# Altium PCB Defectoscope.PcbDoc (part 2 of 2)
Units mm, origin at the board's own origin, x right, y up, seen from the top; angles counter-clockwise.
Board outline 50 x 50 mm, 4 copper layers (Top Signal Layer, Power Layer, Ground Layer, Bottom Signal Layer), stack 0.778 mm thick; 116 components, 66 nets, 376 pads, 184 vias.
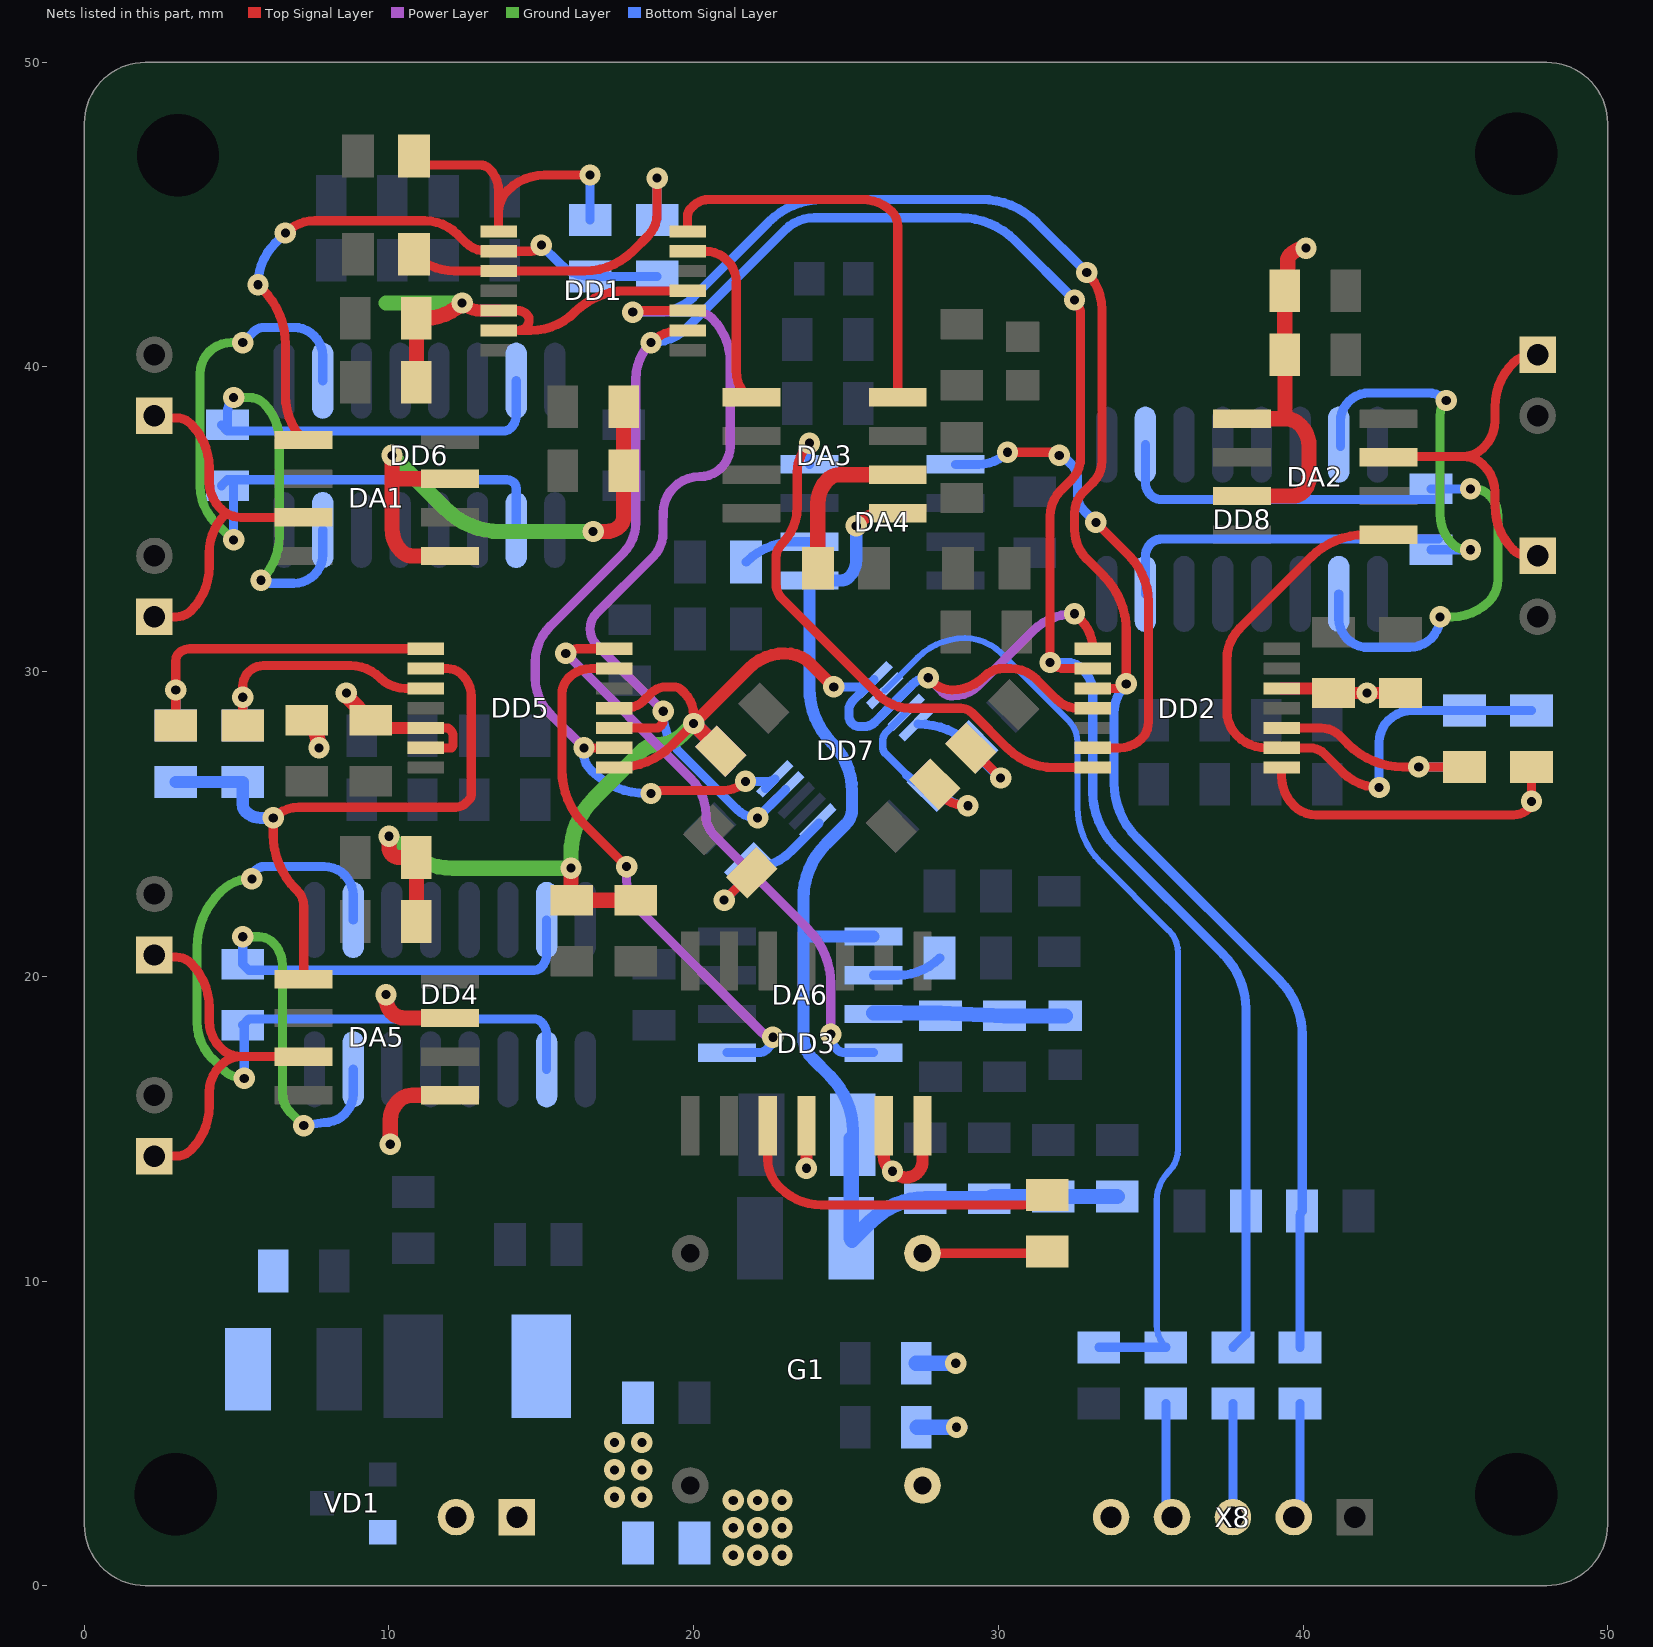
[diagram p4: the nets of this part, all layers, seen from the top]

## Via types
v1: diameter 0.7, hole 0.3, Top Signal Layer to Bottom Signal Layer, tented both sides, 184 vias

## Nets (pads, with @x,y where several pads share a name; then routed paths per layer and width w, separated by ;. In a path a pad name is that pad's centre, name@x,y a point inside that pad or via, vN(x,y) a via of type N, cw(c..) or ccw(c..) an arc to the next point about the centre after c; other vN are vias at no path point) (continued)
NetC23_1: C23.1 DD4.7 DD4.15 | length 22.8
  Ground Layer w0.3: v1(5.2,21.3) 5.717,21.3 cw(c5.717,20.617) 6.2,21.1 cw(c5.475,20.375) 6.5,20.375 6.5,16.166 ccw(c7.385,16.166) 6.759,15.54 v1(7.2,15.1)
  Bottom Signal Layer w0.3: v1(5.2,21.3) C23.1@5.2,20.4 5.4,20.2 14.759,20.2 ccw(c14.759,20.541) 15,20.3 ccw(c14.577,20.723) 15.175,20.723 DD4.15@15.175,21.85 ; v1(7.2,15.1) 7.876,15.2 ccw(c7.876,16.149) 8.825,16.149 DD4.7@8.825,16.95
NetC23_2: C23.2 DD4.2 DD4.10 | length 26.4
  Ground Layer w0.3: v1(5.248,16.651) 5.132,16.651 5.083,16.7 cw(c5.083,17.383) 4.6,16.9 4.195,17.305 cw(c5.39,18.5) 3.7,18.5 3.7,20.948 cw(c6.24,20.948) 4.444,22.744 4.5,22.8 cw(c5.466,21.834) 5.466,23.2 v1(5.5,23.2)
  Bottom Signal Layer w0.3: v1(5.248,16.651) 5.248,18.352 C23.2@5.2,18.4 5.4,18.6 14.759,18.6 cw(c14.759,18.259) 15,18.5 cw(c14.577,18.077) 15.175,18.077 DD4.2@15.175,16.95 ; v1(5.5,23.2) cw(c5.9,23.2) 5.9,23.6 7.876,23.6 cw(c7.876,22.651) 8.825,22.651 DD4.10@8.825,21.85
NetC33_1: C33.1 DD6.7 DD6.15 | length 23
  Ground Layer w0.3: v1(4.9,39) 5.417,39 cw(c5.417,38.317) 5.9,38.8 cw(c4.693,37.593) 6.4,37.593 6.4,34.449 cw(c4.351,34.449) v1(5.8,33) v1@5.6,33
  Bottom Signal Layer w0.3: C33.1@4.5,38.1 4.7,37.9 13.759,37.9 ccw(c13.759,38.241) 14,38 ccw(c13.578,38.422) 14.175,38.422 DD6.15@14.175,39.55 ; C33.1@4.7,38.1 4.7,38.517 cw(c5.383,38.517) v1(4.9,39) ; v1@5.758,33.042 ccw(c6.1,33.383) 6.1,32.9 6.876,32.9 ccw(c6.876,33.849) 7.825,33.849 DD6.7@7.825,34.65
NetC33_2: C33.2 DD6.2 DD6.10 | length 25.1
  Ground Layer w0.3: v1(4.9,34.326) 4.874,34.326 4.295,34.905 cw(c5.491,36.1) 3.8,36.1 3.8,39.776 cw(c4.824,39.776) 4.1,40.5 cw(c4.825,39.775) 4.825,40.8 v1(5.2,40.8)
  Bottom Signal Layer w0.3: C33.2@4.5,36.1 4.7,36.3 13.859,36.3 cw(c13.859,35.959) 14.1,36.2 cw(c13.919,36.019) 14.175,36.019 DD6.2@14.175,34.65 ; v1@4.9,34.3 C33.2@4.9,36.1 ; v1(5.2,40.8) 5.558,41.158 cw(c5.9,40.817) 5.9,41.3 6.876,41.3 cw(c6.876,40.351) 7.825,40.351 DD6.10@7.825,39.55
NetC44_2: C44.2 DD7.4 R29.1 | length 6.4
  Top Signal Layer w0.3: C44.2@27.807,26.207 28,26.014 ccw(c29,27.014) v1(29,25.6)
  Bottom Signal Layer w0.25: DD7.4@26.98,28.673 26.336,28.029 ccw(c26.666,27.7) 26.2,27.7 26.2,27.541 ccw(c26.541,27.541) 26.3,27.3 26.987,26.613
  Bottom Signal Layer w0.3: 26.987,26.613 ccw(c27.854,27.481) R29.1@27.854,26.254 28.16,25.948 ccw(c29,26.787) v1(29,25.6)
NetC45_2: C45.2 DD7.5 R30.1 | length 5
  Top Signal Layer w0.3: C45.2@29.093,27.493 v1(30.076,26.51) ccw(c30.1,26.534) v1@30.1,26.5
  Bottom Signal Layer w0.3: DD7.5@27.369,28.284 cw(c27.369,25.775) 29.143,27.549 29.173,27.377 v1@30.028,26.523 ; v1@30.001,26.691 cw(c29.82,26.51) v1(30.076,26.51)
NetC46_2: C46.2 DD7.6 R31.1 | length 5.7
  Top Signal Layer w0.3: v1(21,22.5) ccw(c21,22.534) 21.024,22.51 C46.2@21.907,23.393
  Bottom Signal Layer w0.3: v1(21,22.5) 21.789,23.289 ccw(c21.632,23.446) 21.854,23.446 ccw(c21.854,23.873) R31.1@22.155,23.57 ; R31.1@21.854,23.546 ccw(c21.854,25.421) R31.1@22.155,23.57 ; DD7.6@24.116,25.031 23.18,24.095 cw(c21.854,25.421) R31.1@22.155,23.57
NetC49_1: C49.1 DD8.7 DD8.15 | length 22.9
  Ground Layer w0.3: v1(44.7,38.9) ccw(c45.183,38.417) 44.5,38.417 44.5,35.166 ccw(c45.866,35.166) 44.9,34.2 ccw(c45.383,34.683) 45.383,34 v1(45.5,34)
  Bottom Signal Layer w0.3: DD8.15@34.825,32.55 34.825,33.778 cw(c35.423,33.778) 35,34.2 cw(c35.371,33.829) 35.371,34.354 C49.1@44.446,34.354 ; DD8.7@41.225,37.4 41.225,38.201 cw(c42.174,38.201) 42.174,39.15 44.096,39.15 cw(c44.096,38.296) v1(44.7,38.9) ; C49.1@44.2,34 v1(45.5,34)
NetC49_2: C49.2 DD8.2 DD8.10 | length 23.8
  Ground Layer w0.3: v1(44.5,31.8) 44.893,31.8 ccw(c44.893,33.507) 46.1,32.3 ccw(c45.376,33.024) 46.4,33.024 46.4,35.1 ccw(c45.434,35.1) 46.117,35.783 46.1,35.8 ccw(c45.617,35.317) 45.617,36 v1(45.5,36)
  Bottom Signal Layer w0.3: DD8.2@34.825,37.45 34.825,36.223 ccw(c35.423,36.223) 35,35.8 ccw(c35.371,36.171) 35.371,35.646 C49.2@44.446,35.646 ; DD8.10@41.175,32.55 41.175,31.749 ccw(c42.124,31.749) 42.124,30.8 ; 42.024,30.8 43.4,30.8 ; 43.5,30.8 ccw(c43.5,31.8) v1(44.5,31.8) ; C49.2@44.2,36 v1(45.5,36)
NetC50_2: C50.2 C51.2 DA6.7 L3.2 | length 6.3
  Bottom Signal Layer w0.5: DA6.7@25.9,18.8 28.1,18.8 C50.2@30.2,18.7 L3.2@32.2,18.7
NetDA1_5: DA1.5 DD1.9 R5.2 R6.1 | length 20.4
  Top Signal Layer w0.3: v1(5.7,42.7) 5.856,42.544 cw(c4.06,40.748) 6.6,40.748 6.6,39.054 ccw(c8.649,39.054) DA1.5@7.2,37.605 ; v1(6.6,44.4) cw(c7.566,43.434) 7.566,44.8 11.172,44.8 cw(c11.172,43.284) 12.244,44.356 12.5,44.1 ccw(c13.224,44.824) 13.224,43.8 DD1.9@13.6,43.8 14.659,43.8 ccw(c14.659,44.141) v1@14.9,43.9
  Bottom Signal Layer w0.3: v1(5.7,42.7) cw(c7.631,42.7) 6.266,44.066 v1(6.6,44.4) ; v1(15,44) 15.618,43.382 ccw(c16.6,44.363) R5.2@16.6,42.975 R6.1@18.8,42.975
NetDA1_7: DA1.7 X1.1 X3.1 | length 11.8
  Top Signal Layer w0.3: X1.1@2.3,31.8 3.017,31.8 ccw(c3.017,32.483) 3.5,32 ccw(c2.051,33.449) 4.1,33.449 4.1,33.9 cw(c5.883,33.9) 4.622,35.16 4.663,35.201 ; X3.1@2.3,38.33 3.017,38.33 cw(c3.017,37.647) 3.5,38.13 cw(c2.051,36.681) 4.1,36.681 4.1,36.23 ccw(c5.307,36.23) 4.454,35.376 ; 4.5,35.33 ccw(c5.14,35.97) 4.663,35.201 ; DA1.7@7.2,35.065 5.14,35.065 cw(c5.14,35.97) 4.663,35.201
NetDA2_5: DA2.5 DD2.9 R7.2 R8.1 | length 22
  Top Signal Layer w0.3: 37.924,31.424 ccw(c38.949,30.4) 37.5,30.4 37.5,28.697 ccw(c38.627,28.697) 37.83,27.9 ccw(c38.796,28.866) 38.796,27.5 DD2.9@39.3,27.5 40.217,27.5 cw(c40.217,26.817) 40.7,27.3 41.305,26.695 ccw(c42.5,27.89) v1(42.5,26.2) ; 37.924,31.424 40.251,33.751 cw(c42.047,31.955) 42.047,34.495 DA2.5@42.8,34.495
  Bottom Signal Layer w0.3: v1(42.5,26.2) 42.5,27.676 cw(c43.524,27.676) 42.8,28.4 cw(c43.585,27.615) 43.585,28.725 R8.1@45.3,28.725 R7.2@47.5,28.725
NetDA2_7: DA2.7 X2.1 X4.1 | length 11.7
  Top Signal Layer w0.3: DA2.7@42.8,37.065 45.26,37.065 ; 45.9,36.8 ccw(c45.26,36.16) 45.26,37.065 ; 45.946,36.754 cw(c45.093,35.9) 46.3,35.9 46.3,35.449 ccw(c48.349,35.449) 46.9,34 ccw(c47.383,34.483) 47.383,33.8 X4.1@47.7,33.8 ; X2.1@47.7,40.4 47.552,40.4 ccw(c47.552,39.478) 46.9,40.13 ccw(c48.349,38.681) 46.3,38.681 46.3,38.23 cw(c45.093,38.23) 45.946,37.376 45.9,37.33 cw(c45.26,37.97) 45.26,37.065
NetDA3_1: DA3.1 DD1.6 | length 6
  Top Signal Layer w0.3: DD1.6@19.8,43.8 20.376,43.8 cw(c20.376,42.776) 21.1,43.5 cw(c20.376,42.776) 21.4,42.776 21.4,39.854 ccw(c22.495,39.854) DA3.1@21.721,39.079
NetDA3_6: DA3.6 R11.2 | length 5.3
  Top Signal Layer w0.5: R11.2@24.075,33.4 24.075,35.515 cw(c25.185,35.515) 24.4,36.3 cw(c24.798,35.902) 24.798,36.465 DA3.6@26.7,36.465
NetDA3_8: DA3.8 DD1.7 | length 13.7
  Top Signal Layer w0.3: DD1.7@19.8,44.45 19.8,44.959 cw(c20.141,44.959) 19.9,45.2 19.988,45.288 cw(c20.5,44.776) 20.5,45.5 25.534,45.5 cw(c25.534,44.134) 26.5,45.1 cw(c26.017,44.617) 26.7,44.617 DA3.8@26.7,39.005
NetDA4_1: DA4.1 DD2.6 | length 15.7
  Top Signal Layer w0.3: v1(30.3,37.2) 31.759,37.2 cw(c31.759,36.859) v1(32,37.1) ; DD2.6@33.1,27.5 33.976,27.5 ccw(c33.976,28.524) 34.7,27.8 ccw(c34.157,28.343) 34.925,28.343 34.925,32.291 ccw(c32.791,32.291) 34.3,33.8 v1(33.2,34.9)
  Bottom Signal Layer w0.3: DA4.1@28.6,36.805 29.346,36.805 ccw(c29.346,38.154) v1(30.3,37.2) ; v1(32,37.1) cw(c32,36.859) 32.171,37.029 32.4,36.8 cw(c31.917,36.317) 32.6,36.317 32.6,35.8 ccw(c33.324,35.8) 32.812,35.288 v1(33.2,34.9)
NetDA4_6: DA4.6 R13.2 | length 2.3
  Bottom Signal Layer w0.3: R13.2@21.725,33.6 cw(c23.33,31.995) 23.33,34.265 DA4.6@23.8,34.265
NetDA4_8: DA4.8 DD2.7 | length 18.5
  Top Signal Layer w0.3: v1(23.8,37.5) ccw(c24.766,36.534) 23.4,36.534 23.4,35.407 cw(c21.693,35.407) 22.9,34.2 ccw(c23.383,33.717) 22.7,33.717 22.7,32.9 ccw(c23.424,32.9) 22.912,32.388 26.076,29.224 ccw(c27.1,30.249) 27.1,28.8 28.767,28.8 cw(c28.767,28.267) 29.144,28.644 30.296,27.491 ccw(c31.845,29.04) 31.845,26.85 DD2.7@33.1,26.85
  Bottom Signal Layer w0.3: DA4.8@23.8,36.805 v1(23.8,37.5)
NetDA5_5: DA5.5 DD5.9 R24.2 R25.1 | length 21.8
  Top Signal Layer w0.3: DA5.5@7.2,19.905 7.2,22.317 ccw(c6.517,22.317) 7,22.8 6.944,22.856 cw(c8.74,24.652) 6.2,24.652 v1(6.2,25.2) cw(c7.045,24.355) 7.045,25.55 12.179,25.55 ccw(c12.179,26.047) 12.53,25.695 12.635,25.8 ccw(c12.478,25.957) 12.7,25.957 12.7,29.176 ccw(c11.676,29.176) 12.4,29.9 ccw(c11.917,29.417) 11.917,30.1 DD5.9@11.2,30.1
  Bottom Signal Layer w0.4: R24.2@3,26.375 R25.1@5.2,26.375 5.2,25.641 ccw(c5.541,25.641) 5.3,25.4 ccw(c5.783,25.883) 5.783,25.2 v1(6.2,25.2)
NetDA5_7: DA5.7 X5.1 X7.1 | length 14.1
  Top Signal Layer w0.3: X5.1@2.3,14.1 3.017,14.1 ccw(c3.017,14.783) 3.5,14.3 ccw(c2.051,15.749) 4.1,15.749 4.1,16.2 cw(c5.307,16.2) 4.454,17.054 4.5,17.1 cw(c5.14,16.46) 5.14,17.365 ; X7.1@2.3,20.63 3.017,20.63 cw(c3.017,19.947) 3.5,20.43 cw(c2.051,18.981) 4.1,18.981 4.1,18.53 ccw(c5.307,18.53) 4.454,17.676 ; 4.5,17.63 ccw(c5.14,18.27) 5.14,17.365 ; 5.14,17.365 DA5.7@7.2,17.365 5.14,17.365
NetDA6_1: DA6.1 DD5.6 | length 18
  Top Signal Layer w0.3: DD5.6@17.4,30.1 16.624,30.1 ccw(c16.624,29.076) 15.9,29.8 ccw(c16.443,29.257) 15.675,29.257 15.675,26.777 ccw(c18.215,26.777) 16.419,24.981 v1(17.8,23.6)
  Power Layer w0.3: v1(17.8,23.6) 17.8,23.166 ccw(c19.166,23.166) 18.2,22.2 22.259,18.141 ccw(c22.6,18.483) v1(22.6,18)
  Bottom Signal Layer w0.3: DA6.1@21.1,17.495 22.147,17.495 ccw(c22.147,17.853) 22.4,17.6 22.459,17.659 ccw(c22.117,18) v1(22.6,18)
NetDA6_6: DA6.6 R32.2 | length 2.3
  Bottom Signal Layer w0.3: DA6.6@25.9,20.035 26.711,20.035 ccw(c26.711,21.964) R32.2@28.075,20.6
NetDA6_8: DA6.8 DD5.7 | length 19.5
  Top Signal Layer w0.3: v1(15.8,30.6) cw(c16.162,30.238) 16.162,30.75 DD5.7@17.4,30.75
  Power Layer w0.3: v1(15.8,30.6) 19.905,26.495 cw(c18.71,25.3) 20.4,25.3 ccw(c21.366,25.3) 20.683,24.617 23.756,21.544 cw(c21.96,19.748) 24.5,19.748 v1(24.5,18.1) v1@24.5,17.9
  Bottom Signal Layer w0.3: v1(24.5,18.1) 24.5,18.083 ccw(c25.183,18.083) 24.7,17.6 ccw(c24.953,17.853) 24.953,17.495 DA6.8@25.9,17.495
NetDD1_8: DD1.8 R1.2 R5.1 | length 9.8
  Top Signal Layer w0.3: R1.2@10.825,46.625 12.998,46.625 cw(c12.998,46.198) 13.3,46.5 cw(c12.576,45.776) 13.6,45.776 13.6,45.076 ; DD1.8@13.6,44.45 13.6,45.076 ; v1(16.6,46.3) 15.107,46.3 ccw(c15.107,44.593) 13.9,45.8 ccw(c14.624,45.076) 13.6,45.076
  Bottom Signal Layer w0.3: R5.1@16.6,44.825 v1(16.6,46.3)
NetDD1_10: DD1.10 R2.2 R6.2 | length 11.6
  Top Signal Layer w0.3: R2.2@10.825,43.7 ccw(c12.153,45.028) 12.153,43.15 DD1.10@13.6,43.15 16.414,43.15 ccw(c16.414,45.411) 18.012,43.812 18.5,44.3 ccw(c17.776,45.024) 18.8,45.024 v1(18.8,46.2)
  Bottom Signal Layer w0.3: R6.2@18.8,44.825 v1(18.8,46.2)
NetDD2_8: DD2.8 R3.2 R7.1 | length 11.7
  Top Signal Layer w0.3: DD2.8@39.3,26.85 39.3,26.566 ccw(c40.666,26.566) 39.7,25.6 ccw(c40.424,26.324) 40.424,25.3 46.917,25.3 ccw(c46.917,25.983) 47.4,25.5 ccw(c47.159,25.741) v1(47.5,25.741) R3.2@47.5,26.875
  Bottom Signal Layer w0.3: v1(47.5,25.741) R7.1@47.5,26.875
NetDD2_10: DD2.10 R4.2 R8.2 | length 7.9
  Top Signal Layer w0.3: DD2.10@39.3,28.15 40.596,28.15 cw(c40.596,27.296) 41.2,27.9 41.481,27.619 ccw(c43.277,29.415) 43.277,26.875 R4.2@45.3,26.875
  Bottom Signal Layer w0.3: v1(43.8,26.875) R8.2@45.3,26.875
NetDD3_3: DD3.3 R15.1 | length 11.2
  Top Signal Layer w0.3: DD3.3@22.43,15.1 22.43,13.993 ccw(c23.693,13.993) 22.8,13.1 22.834,13.066 ccw(c24.2,14.431) 24.2,12.5 30.815,12.5 ccw(c30.815,13.61) R15.1@31.6,12.825
NetDD5_8: DD5.8 R20.2 R24.1 | length 11.7
  Top Signal Layer w0.3: R20.2@3,28.225 v1(3,29.4) 3,30.359 cw(c3.341,30.359) 3.1,30.6 cw(c3.462,30.238) 3.462,30.75 DD5.8@11.2,30.75
  Bottom Signal Layer w0.3: R24.1@3,28.225 v1(3,29.4)
NetDD5_10: DD5.10 R21.2 R25.2 | length 8.8
  Top Signal Layer w0.3: R21.2@5.2,28.225 v1(5.2,29.159) 5.2,29.517 cw(c5.883,29.517) 5.4,30 cw(c5.883,29.517) 5.883,30.2 8.734,30.2 cw(c8.734,28.834) 9.7,29.8 ccw(c10.545,30.645) 10.545,29.45 DD5.10@11.2,29.45
  Bottom Signal Layer w0.3: R25.2@5.2,28.225 v1(5.2,29.159)
NetDD7_2: DD7.2 R35.1 R36.1 | length 32
  Bottom Signal Layer w0.2: DD7.2@26.273,29.38 27.351,30.459 cw(c28.9,28.91) 28.9,31.1 cw(c28.9,29.41) 30.095,30.605 32.3,28.4 cw(c31.576,27.676) 32.6,27.676 32.6,25.552 ccw(c35.14,25.552) 33.344,23.756 35.6,21.5 cw(c34.876,20.776) 35.9,20.776 35.9,14.321 cw(c34.885,14.321) 35.603,13.603 ccw(c36.575,12.631) 35.2,12.631 35.2,8.549 ccw(c36.224,8.549) R36.1@35.5,7.825
  Bottom Signal Layer w0.3: R35.1@33.3,7.825 R36.1@35.5,7.825
NetFU1_1: FU1.1 X6.1
NetG1_5: G1.5 R15.2 | length 4.3
  Top Signal Layer w0.3: G1.5@27.51,10.91 R15.2@31.6,10.91 ; R15.2@31.443,10.91 ccw(c31.443,11.132) R15.2@31.6,10.975
NetR26_2: R26.2 X8.2 | length 3.8
  Bottom Signal Layer w0.3: X8.2@39.7,2.25 ccw(c39.217,2.733) 39.9,2.733 R26.2@39.9,5.975
NetR27_2: R27.2 X8.3 | length 3.7
  Bottom Signal Layer w0.3: X8.3@37.7,2.25 R27.2@37.7,5.975
NetR36_2: R36.2 X8.4 | length 3.8
  Bottom Signal Layer w0.3: R36.2@35.5,5.975 35.5,2.733 ccw(c36.183,2.733) X8.4@35.7,2.25
PGND: C27.2 C28.1 R18.2 R19.2 VD1.2 X6.2
  other v1: 17.4,2.9 18.3,2.9 17.4,3.8 18.3,3.8 17.4,4.7 18.3,4.7
REF_VOLTAGE: C47.2 C48.1 C52.1 C53.2 DA3.5 DA4.5 DA6.5 R34.1 R37.2 | length 39
  Top Signal Layer w0.4: v1(25.335,34.785) 25.45,34.9 cw(c26.162,34.188) 26.162,35.195 DA3.5@26.7,35.195
  Bottom Signal Layer w0.4: C47.2@25.225,14.8 25.225,14.923 ccw(c22.685,14.923) 24.481,16.719 23.9,17.3 cw(c24.624,18.024) 23.6,18.024 23.6,21.3 ; v1(25.335,34.785) 25.335,33.668 cw(c24.532,33.668) 25.1,33.1 cw(c24.847,33.353) 24.847,32.995 DA4.5@23.8,32.995 23.8,29.452 ccw(c26.34,29.452) 24.544,27.656 cw(c22.96,26.072) 25.2,26.072 25.2,25.483 cw(c24.517,25.483) 25,25 24.344,24.344 ccw(c26.14,22.548) 23.6,22.548 23.6,21.3 ; DA6.5@25.9,21.305 23.605,21.305 23.6,21.3
  Bottom Signal Layer w0.5: C47.2@25.175,14.679 C52.1@25.175,11.4 cw(c25.115,11.34) 25.2,11.34 25.825,11.965 cw(c27.6,10.19) C53.2@27.6,12.7 C48.1@29.7,12.7 cw(c29.881,12.519) 29.881,12.775 R34.1@31.8,12.775 R37.2@33.9,12.775
SCL: DD1.2 DD2.2 DD5.2 DD7.10 R23.1 R27.1 | length 81.1
  Top Signal Layer w0.3: v1(16.4,27.5) DD5.2@17.4,27.5 ; v1(18.6,26) cw(c18.841,25.759) 18.841,26.1 20.976,26.1 ccw(c20.976,27.124) v1(21.7,26.4) ; v1(18.6,40.8) cw(c19.566,39.834) 19.566,41.2 DD1.2@19.8,41.2 ; v1(32.5,42.2) cw(c32.017,41.717) 32.7,41.717 32.7,37.024 cw(c31.676,37.024) 32.4,36.3 32.059,35.959 ccw(c32.924,35.093) 31.7,35.093 v1(31.7,30.3) ccw(c32.183,30.783) 32.183,30.1 DD2.2@33.1,30.1
  Power Layer w0.3: v1(16.4,27.5) 15.295,28.605 cw(c16.49,29.8) 14.8,29.8 14.8,30.308 cw(c16.471,30.308) 15.29,31.49 17.676,33.876 ccw(c16.651,34.9) 18.1,34.9 18.1,39.593 cw(c19.807,39.593) v1(18.6,40.8)
  Bottom Signal Layer w0.3: v1(16.4,27.5) 16.4,27.283 ccw(c17.083,27.283) 16.6,26.8 16.656,26.744 ccw(c18.452,28.54) 18.452,26 v1(18.6,26) ; v1@18.6,41 v1(18.6,40.8) ccw(c18.6,42.49) 19.795,41.295 23,44.5 cw(c23.966,43.534) 23.966,44.9 28.748,44.9 cw(c28.748,42.36) 30.544,44.156 v1(32.5,42.2) ; v1(21.7,26.4) 22.472,26.4 ccw(c22.472,26.676) DD7.10@22.667,26.481 DD7.10@22.359,26.173 ; v1(31.7,30.3) 32.259,30.3 cw(c32.259,29.617) 32.741,30.1 32.788,30.054 cw(c32.034,29.3) 33.1,29.3 33.1,26.052 ccw(c35.64,26.052) 33.844,24.256 37.381,20.719 cw(c35.585,18.923) 38.125,18.923 R23.1@38.125,12.3 38.125,8.25 R27.1@37.7,7.825
SDA: DD1.3 DD2.3 DD5.3 DD7.9 R22.1 R26.1 | length 85.9
  Top Signal Layer w0.3: DD5.3@17.4,28.15 18.779,28.15 ccw(c18.779,28.321) 18.9,28.2 ccw(c18.659,28.441) 19,28.441 v1(19,28.7) ; v1(18,41.8) cw(c18.121,41.679) 18.121,41.85 DD1.3@19.8,41.85 ; v1(32.9,43.1) cw(c31.693,41.893) 33.4,41.893 33.4,36.924 cw(c32.376,36.924) 33.1,36.2 32.783,35.883 ccw(c33.466,35.2) 32.5,35.2 32.5,34.666 ccw(c33.866,34.666) 32.9,33.7 33.456,33.144 cw(c31.66,31.348) 34.2,31.348 v1(34.2,29.6) cw(c33.838,29.962) 33.838,29.45 DD2.3@33.1,29.45
  Power Layer w0.3: v1@18.059,41.959 18,41.9 ccw(c18.241,42.141) 18.241,41.8 20.117,41.8 cw(c20.117,41.117) 20.6,41.6 cw(c19.151,40.151) 21.2,40.151 21.2,37.4 cw(c20.2,37.4) 20.2,36.4 ccw(c20.2,35.2) 19,35.2 19,35.09 ; 18.999,35.088 18.999,34.578 cw(c17.843,34.578) 18.66,33.76 16.812,31.912 ccw(c17.324,31.4) 16.6,31.4 ccw(c17.324,31.4) 16.812,30.888 v1(19,28.7)
  Bottom Signal Layer w0.3: v1(18,41.8) 18.793,41.8 ccw(c18.793,43.507) 20,42.3 22.456,44.756 cw(c24.252,42.96) 24.252,45.5 29.448,45.5 cw(c29.448,42.96) 31.244,44.756 v1(32.9,43.1) ; v1(19,28.7) 19,28.607 ccw(c20.707,28.607) 19.5,27.4 21.417,25.483 ccw(c22.1,26.166) v1(22.1,25.2) 22.1,25.207 22.474,25.581 ; DD7.9@22.517,25.624 DD7.9@23.02,26.127 ; v1(34.2,29.6) ccw(c35.166,28.634) 33.8,28.634 33.8,26.352 ccw(c36.34,26.352) 34.544,24.556 39.231,19.869 cw(c37.435,18.073) 39.975,18.073 R22.1@39.975,12.3 ccw(c40.156,12.119) 39.9,12.119 R26.1@39.9,7.825
SGND: C2.1 C3.1 C5.1 C6.1 C7.1 C8.1 C9.1 C10.1 C19.1 C20.1 C21.1 C22.1 C25.1 C26.1 C34.1 C35.1 C41.1 C42.1 DA1.1 DA1.3 DA2.1 DA2.3 DA5.1 DA5.3 DD1.4 DD1.12 DD1.13 DD2.1 DD2.4 DD2.12 DD3.4 DD3.6 DD3.7 DD5.1 DD5.4 DD5.12 DD5.13 DD7.1 DD7.3 G1.4 R18.1 X8.5 | length 125.4
  Top Signal Layer w0.3: C35.1@9.4,28.4 ccw(c10.004,29.004) C35.1@10.004,28.15 ; DD5.13@11.2,27.5 12.05,27.5 ccw(c11.929,27.621) 12.1,27.621 12.1,27.9 ccw(c11.859,27.9) 12.029,28.071 12,28.1 ccw(c11.879,27.979) 11.879,28.15 DD5.12@11.2,28.15 ; DD1.12@13.6,41.85 14.226,41.85 cw(c14.226,41.429) 14.523,41.727 cw(c14.338,41.541) 14.6,41.541 cw(c14.259,41.541) 14.5,41.3 cw(c14.259,41.541) 14.259,41.2 14.651,41.2 ccw(c14.651,43.249) 16.1,41.8 cw(c17.79,40.11) 17.79,42.5 DD1.4@19.8,42.5 ; DD5.1@17.4,26.85 17.498,26.85 ccw(c17.498,29.39) 19.294,27.594 v1(20,28.3) 20,28.576 ccw(c18.976,28.576) 19.7,29.3 19.6,29.4 ccw(c19.359,29.159) 19.359,29.5 19.1,29.5 ccw(c19.1,28.8) 18.605,29.295 18.355,29.045 cw(c17.764,29.636) 17.764,28.8 DD5.4@17.4,28.8 ; v1(27.7,29.8) 27.834,29.666 ccw(c28.476,30.307) 28.476,29.4 ccw(c28.476,30.907) 29.541,29.841 cw(c30.179,29.204) 30.179,30.106 30.4,30.106 cw(c30.4,28.912) 31.244,29.756 31.9,29.1 ccw(c32.624,29.824) 32.624,28.8 DD2.4@33.1,28.8 ; v1(32.5,31.9) 32.711,31.689 cw(c31.772,30.75) DD2.1@33.1,30.75
  Top Signal Layer w0.4: C35.1@10.004,28.15 DD5.12@11.2,28.15 ; v1(12.4,42.1) ccw(c13.004,42.704) 13.004,41.85 DD1.12@13.6,41.85 ; C7.1@17.7,38.7 C7.1@17.7,39.117 ; v1(20,28.3) 21.805,30.105 cw(c23,28.91) 23,30.6 cw(c23,29.393) 23.853,30.247 v1(24.6,29.5) ; v1(23.7,13.7) DD3.4@23.7,15.1 ; DD3.6@26.24,15.1 26.24,14.086 ccw(c26.786,14.086) 26.4,13.7 26.497,13.603 v1(26.525,13.603) 26.553,13.575 ccw(c26.975,13.997) 26.975,13.4 ccw(c26.975,13.943) 27.359,13.559 ccw(c26.995,13.923) 27.51,13.923 DD3.7@27.51,15.1 ; DD2.12@39.3,29.45 40.438,29.45 cw(c40.438,28.938) 40.8,29.3 42,29.3 C9.1@43.2,29.3
  Top Signal Layer w0.5: C34.1@7.3,28.4 7.346,28.354 cw(c6.493,27.5) v1(7.7,27.5) ; v1(8.6,29.3) 8.6,29.2 C35.1@9.4,28.4 ; v1@9.921,19.379 v1(9.9,19.4) 9.9,19.283 ccw(c10.583,19.283) 10.1,18.8 ccw(c10.498,19.198) 10.498,18.635 DA5.3@12,18.635 ; v1(10,24.6) 10,24.241 ccw(c10.341,24.241) 10.1,24 ccw(c10.341,24.241) 10.341,23.9 C26.1@10.9,23.9 C25.1@10.9,21.8 ; v1(10.043,14.488) 10.043,15.28 cw(c10.92,15.28) 10.3,15.9 cw(c10.771,15.429) 10.771,16.095 DA5.1@12,16.095 ; v1(10.1,37.1) 10.1,36.3 ; C2.1@10.9,39.5 C3.1@10.9,41.6 11.193,41.6 ccw(c11.193,43.307) v1(12.4,42.1) ; DA1.1@12,33.795 10.781,33.795 cw(c10.781,34.321) 10.41,33.949 cw(c11.158,34.697) 10.1,34.697 10.1,36.3 ; DA1.3@12,36.335 10.185,36.335 ccw(c10.185,36.215) 10.1,36.3 ; v1(15.972,23.55) 15.972,22.528 C22.1@16,22.5 C21.1@18.1,22.5 ; v1(16.7,34.6) 17.139,34.6 ccw(c17.139,35.224) 17.58,34.783 ccw(c17.29,35.073) 17.7,35.073 C8.1@17.7,36.6 C7.1@17.7,38.7 ; v1(20,28.3) 20.883,27.417 cw(c20.859,27.393) C41.1@20.893,27.393 ; DA2.3@38.4,35.765 39.674,35.765 ccw(c39.674,36.226) 40,35.9 ccw(c39.517,36.383) 40.2,36.383 40.2,37.388 ccw(c39.193,37.388) 39.905,38.1 ccw(c39.41,37.605) 39.41,38.305 ; DA2.1@38.4,38.305 39.41,38.305 ; C6.1@39.4,42.5 C5.1@39.4,40.4 39.41,40.39 39.41,38.305 ; C6.1@39.5,42.5 39.5,43.5 cw(c39.741,43.5) 39.571,43.671 39.588,43.688 cw(c40.1,43.176) v1(40.1,43.9)
  Power Layer w0.3: v1(27.7,29.8) 28.159,29.341 ccw(c28.5,29.683) 28.5,29.2 ccw(c28.5,30.407) 29.353,29.553 ; 29.354,29.554 31.134,31.334 cw(c32.5,29.969) v1(32.5,31.9)
  Ground Layer w0.5: 9.9,42.1 v1(12.4,42.1) ; v1(10,24.6) 10.306,24.294 ccw(c12.102,26.09) 12.102,23.55 v1(15.972,23.55) 15.972,24.02 cw(c18.512,24.02) 16.716,25.816 18.288,27.388 cw(c18.8,26.876) 18.8,27.6 ccw(c18.8,28.807) 19.653,27.954 v1(20,28.3) ; v1(10.1,37.1) 11.856,35.344 ccw(c13.652,37.14) 13.652,34.6 v1(16.7,34.6)
  Bottom Signal Layer w0.3: v1(24.6,29.5) 25.356,29.5 ccw(c25.356,30.297) DD7.1@25.919,29.733 ; DD7.1@25.919,29.733 cw(c25.356,30.297) DD7.1@25.919,29.733 ; v1(27.7,29.8) ccw(c27.7,29.076) 27.188,29.588 DD7.3@26.626,29.026 25.941,28.341 cw(c25.6,28.683) 25.6,28.2 25.441,28.2 cw(c25.441,28.541) 25.2,28.3 cw(c25.441,28.541) 25.1,28.541 25.1,28.759 cw(c25.441,28.759) 25.2,29 cw(c25.234,29) 25.21,29.024 DD7.1@25.919,29.733
  Bottom Signal Layer w0.5: v1(20,28.3) ccw(c20.034,28.3) 20.01,28.276 C42.1@20.893,27.393 ; C19.1@27.3,7.3 v1(28.6,7.3) ; C20.1@27.33,5.2 v1@28.73,5.2
  other v1: 21.3,1 22.1,1 22.9,1 21.3,1.9 22.1,1.9 22.9,1.9 21.3,2.8 22.1,2.8 22.9,2.8 28.63,5.2 42.1,29.3
pads on no net: DD1.5 DD1.11 DD2.5 DD2.11 DD3.8 DD3.9 DD3.10 DD3.11 DD3.12 DD3.13 DD5.5 DD5.11 DD7.7 G1.1 VD1.3

## Polygon pours and split planes (outlines as drawn)
PGND on Bottom Signal Layer "Top Layer-No Net" (solid, remove dead copper, pour order 36): 2.3,0.28 12.9,0.28 12.9,4.125 10.616,2.5 6.9,2.5 6.9,11.8 2.3,11.8 2.3,5.6
NetFU1_1 on Bottom Signal Layer "Top Layer-No Net" (solid, remove dead copper, pour order 4): 16.6,9.4 16.6,0.28 13.1,0.28 13.1,9.4
5BA on Bottom Signal Layer "Top Layer-No Net" (solid, remove dead copper, pour order 8): 7.1,12.1 14.8,12.1 14.8,13.9 7.1,13.9
5B on Bottom Signal Layer "Top Layer-No Net" (solid, remove dead copper, pour order 6): 12.3,9.5 12.3,3.89 10.743,2.8 8.1,2.8 8.1,5 7.1,5 7.1,11.9 14.9,11.9 14.9,9.9 9.6,9.9 9.6,9.5
PGND on Bottom Signal Layer "Top Layer-No Net" (solid, remove dead copper, pour order 40): 19.1,0.2 19.1,7.296 16.826,7.296 16.826,0.2
5BS on Bottom Signal Layer "Top Layer-No Net" (solid, remove dead copper, pour order 44): 15.1,13.9 15.1,9.9 16.8,9.9 16.8,9.1 16.8,7.5 22.8,7.5 24.2,7.5 24.2,4 26.2,4 26.2,9 21,9 21,11.3 ccw(c20.2,11.3) 20.2,12.1 18.5,12.1 18.5,13.9
SGND on Bottom Signal Layer "Top Layer-No Net" (solid, remove dead copper, pour order 46): 19.3,0.2 19.3,2.5 20.8,2.5 20.8,3.5 23.6,3.5 23.6,0.2
AGND on Bottom Signal Layer "Top Layer-No Net" (solid, remove dead copper, pour order 50): 23.8,4.5 23.8,7.3 19.3,7.3 19.3,4.4 23.8,4.4
5BA on Power Layer "Top Layer-No Net" (solid, remove dead copper, pour order 16): 14.8,11.3 14.8,20.3 17.115,20.3 19.89,18.012 19.89,12.2 39.6,12.2 39.6,46.9 8.8,46.9 8.8,16.3 6.9,16.3 6.9,11.3
5BS on Power Layer "Top Layer-No Net" (solid, remove dead copper, pour order 3): 9,11.1 9,0 44.4,0 44.4,50 39.7,50 5.1,50 5.1,0 9,0 9,11.1 6.7,11.1 6.7,16.4 8.6,16.4 8.6,47 39.7,47 39.7,12.1 19.6,12.1 19.6,17.968 17.029,20.1 15.1,20.1 15.1,11.1
AGND on Ground Layer "Top Layer-No Net" (solid, remove dead copper, pour order 30): 10.767,47.4 39.3,47.4 39.3,14.1 14.754,14.1 14.754,9.2 23.6,9.2 23.6,7.2 23.6,4 19.4,4 19.4,5.7 10.767,5.7
PGND on Ground Layer "Top Layer-No Net" (solid, remove dead copper, pour order 42): 10.7,2 19.1,2 19.1,5.5 10.7,5.5
SGND on Ground Layer "Top Layer-No Net" (solid, remove dead copper, pour order 48): 20.7,0.8 20.7,3.8 23.8,3.8 23.8,9.4 15.104,9.4 15.104,14 39.3,14 39.3,47.4 10.504,47.4 10.504,1.8 20.7,1.8 20.7,0 5.1,0 5.1,50 39.7,50 44.35,50 44.35,0 20.7,0 20.7,0.7

## Keep-outs
Keep-Out Layer:
  the board outline again, w0.15

## Other copper
Power Layer:
  pour cut-out: 27,29.852 27,30.03 27.377,30.407 29.576,32.606 32.792,32.606 33.182,32.217 33.182,31.582 32.794,31.194 31.794,31.194 29.2,28.6 27.7,28.6 27,29.3

## Silkscreen, mask and mechanical layers (free items; w line width, h text height)
Top Overlay:
  circle w0.254: c3.075,46.95 r2.75
  circle w0.254: c47,47 r2.75
  circle w0.254: c47,3 r2.75
  circle w0.254: c3,3 r2.75
  rectangle: 32,15.4 49.1,22.5
  lines w0.15: 0.5,12.1 0.5,10 ; 0.5,42.4 0.5,44 5,44 5,42.4 6,42.4 6,36.4 5,36.4 ; 5,14.9 6,14.9 ; 5,18.7 6,18.7 6,24.7 5,24.7 ; 5,21.5 6,21.5 ; 5,29.8 6,29.8 6,35.8 5,35.8 ; 5,32.6 6,32.6 ; 5,39.2 6,39.2 ; 10.2,4.95 10.2,7.5 16.2,7.5 16.2,4.95 ; 13.3,4.95 13.3,7.5 ; 31.7,4.95 31.7,7.5 43.7,7.5 43.7,7.5 43.7,4.95 ; 34.5,4.95 34.5,7.5 ; 36.8,4.95 36.8,7.5 ; 39.3,4.95 39.3,7.5 ; 41.8,4.95 41.8,7.5 ; 44,33 45,33 ; 44,39.6 45,39.6 ; 45,29.8 44,29.8 44,35.8 45,35.8 ; 45,36.4 44,36.4 44,42.4 45,42.4 45,44 49.5,44 49.5,42.4 ; 0.5,10 0.5,10 ; 0.5,10 5,10 ; 5,10 5,10 ; 5,10 5,12.1 6,12.1 6,18.1 5,18.1 ; 5,18.1 5,18.1
  text "Z-axis" at 1.4,42.8 h1.2
  text "Y-axis" at 45.9,42.8 h1.2
  text "1 IN" at 44.2,41.6 h1 r270
  text "2 OUT" at 5.8,39.7 h1 r90
  text "2 OUT" at 44.2,39.1 h1 r270
  text "1 IN" at 5.8,37.2 h1 r90
  text "1 IN" at 44.2,35 h1 r270
  text "2 OUT" at 5.8,33.1 h1 r90
  text "2 OUT" at 44.2,32.5 h1 r270
  text "1 IN" at 5.8,30.6 h1 r90
  text "2 OUT" at 5.8,22 h1 r90
  text "1 IN" at 5.8,19.5 h1 r90
  text "2 OUT" at 5.8,15.4 h1 r90
  text "1 IN" at 5.8,12.9 h1 r90
  text "X-axis" at 1.4,10.7 h1.2
  text "PGND" at 10.6,5.9 h1.2
  text "5B" at 14.3,5.9 h1.2
  text "SGND" at 31.9,5.8 h1.2
  text "RDY" at 34.8,5.8 h1.2
  text "SCL" at 37.2,5.8 h1.2
  text "SDA" at 39.6,5.8 h1.2
  text "5B" at 42.2,5.8 h1.2
Bottom Overlay:
  circle w0.254: c3.075,46.95 r2.75
  circle w0.254: c47,47 r2.75
  circle w0.254: c47,3 r2.75
  circle w0.254: c3,3 r2.75
  lines w0.15: 30.5,19.9 30.7,19.9 30.9,19.7 33.3,19.7 ; 30.7,23.75 30.95,24 31.1,24 ; 31.13,15.97 33.2,15.97
  lines w0.2: 8,12.479 8.022,12.5 9.85,12.5 ; 9.846,11.248 8.009,11.248 8,11.257 8,13.7 ; 11.45,13.7 8,13.7 ; 13.196,10.246 13.196,13.996 ; 13.196,13.696 13.2,13.7 ; 13.2,14 16.6,14 ; 14.9,12.15 14.9,14 ; 16.6,12.15 16.6,14 ; 17.4,2.35 17.4,4.8 20.8,4.8 20.8,2.35 ; 17.4,6.95 17.4,9.4 20.8,9.4 20.8,6.95 ; 19.1,2.35 19.1,4.8 ; 19.1,6.95 19.1,9.4 ; 21.195,9.82 34.88,9.82 34.9,9.82 ; 26.17,9.82 26.17,8.5 31.75,8.5 31.75,9.85 ; 34.85,9.82 34.85,15.35 ; 34.85,15.4 34.9,15.35 ; 8,13.7 8,13.7 ; 14.9,14 14.9,14 ; 16.6,14 16.6,14 ; 20.8,6.95 20.8,6.95
  text "5ВА" at 9.6,12.8 h1
  text "5B" at 13.8,12.7 h1 r270
  text "5BS" at 15.4,12.5 h1 r270
  text "5В" at 9.4,11.5 h1
  text "REF_V" at 30.5,8.7 h1.2
  text "PGND" at 17.9,7.2 h1 r270
  text "AGND" at 19.6,7.1 h1 r270
  text "PGND" at 17.9,2.6 h1 r270
  text "SGND" at 19.6,2.6 h1 r270